# KiCad board pannel.kicad_pcb
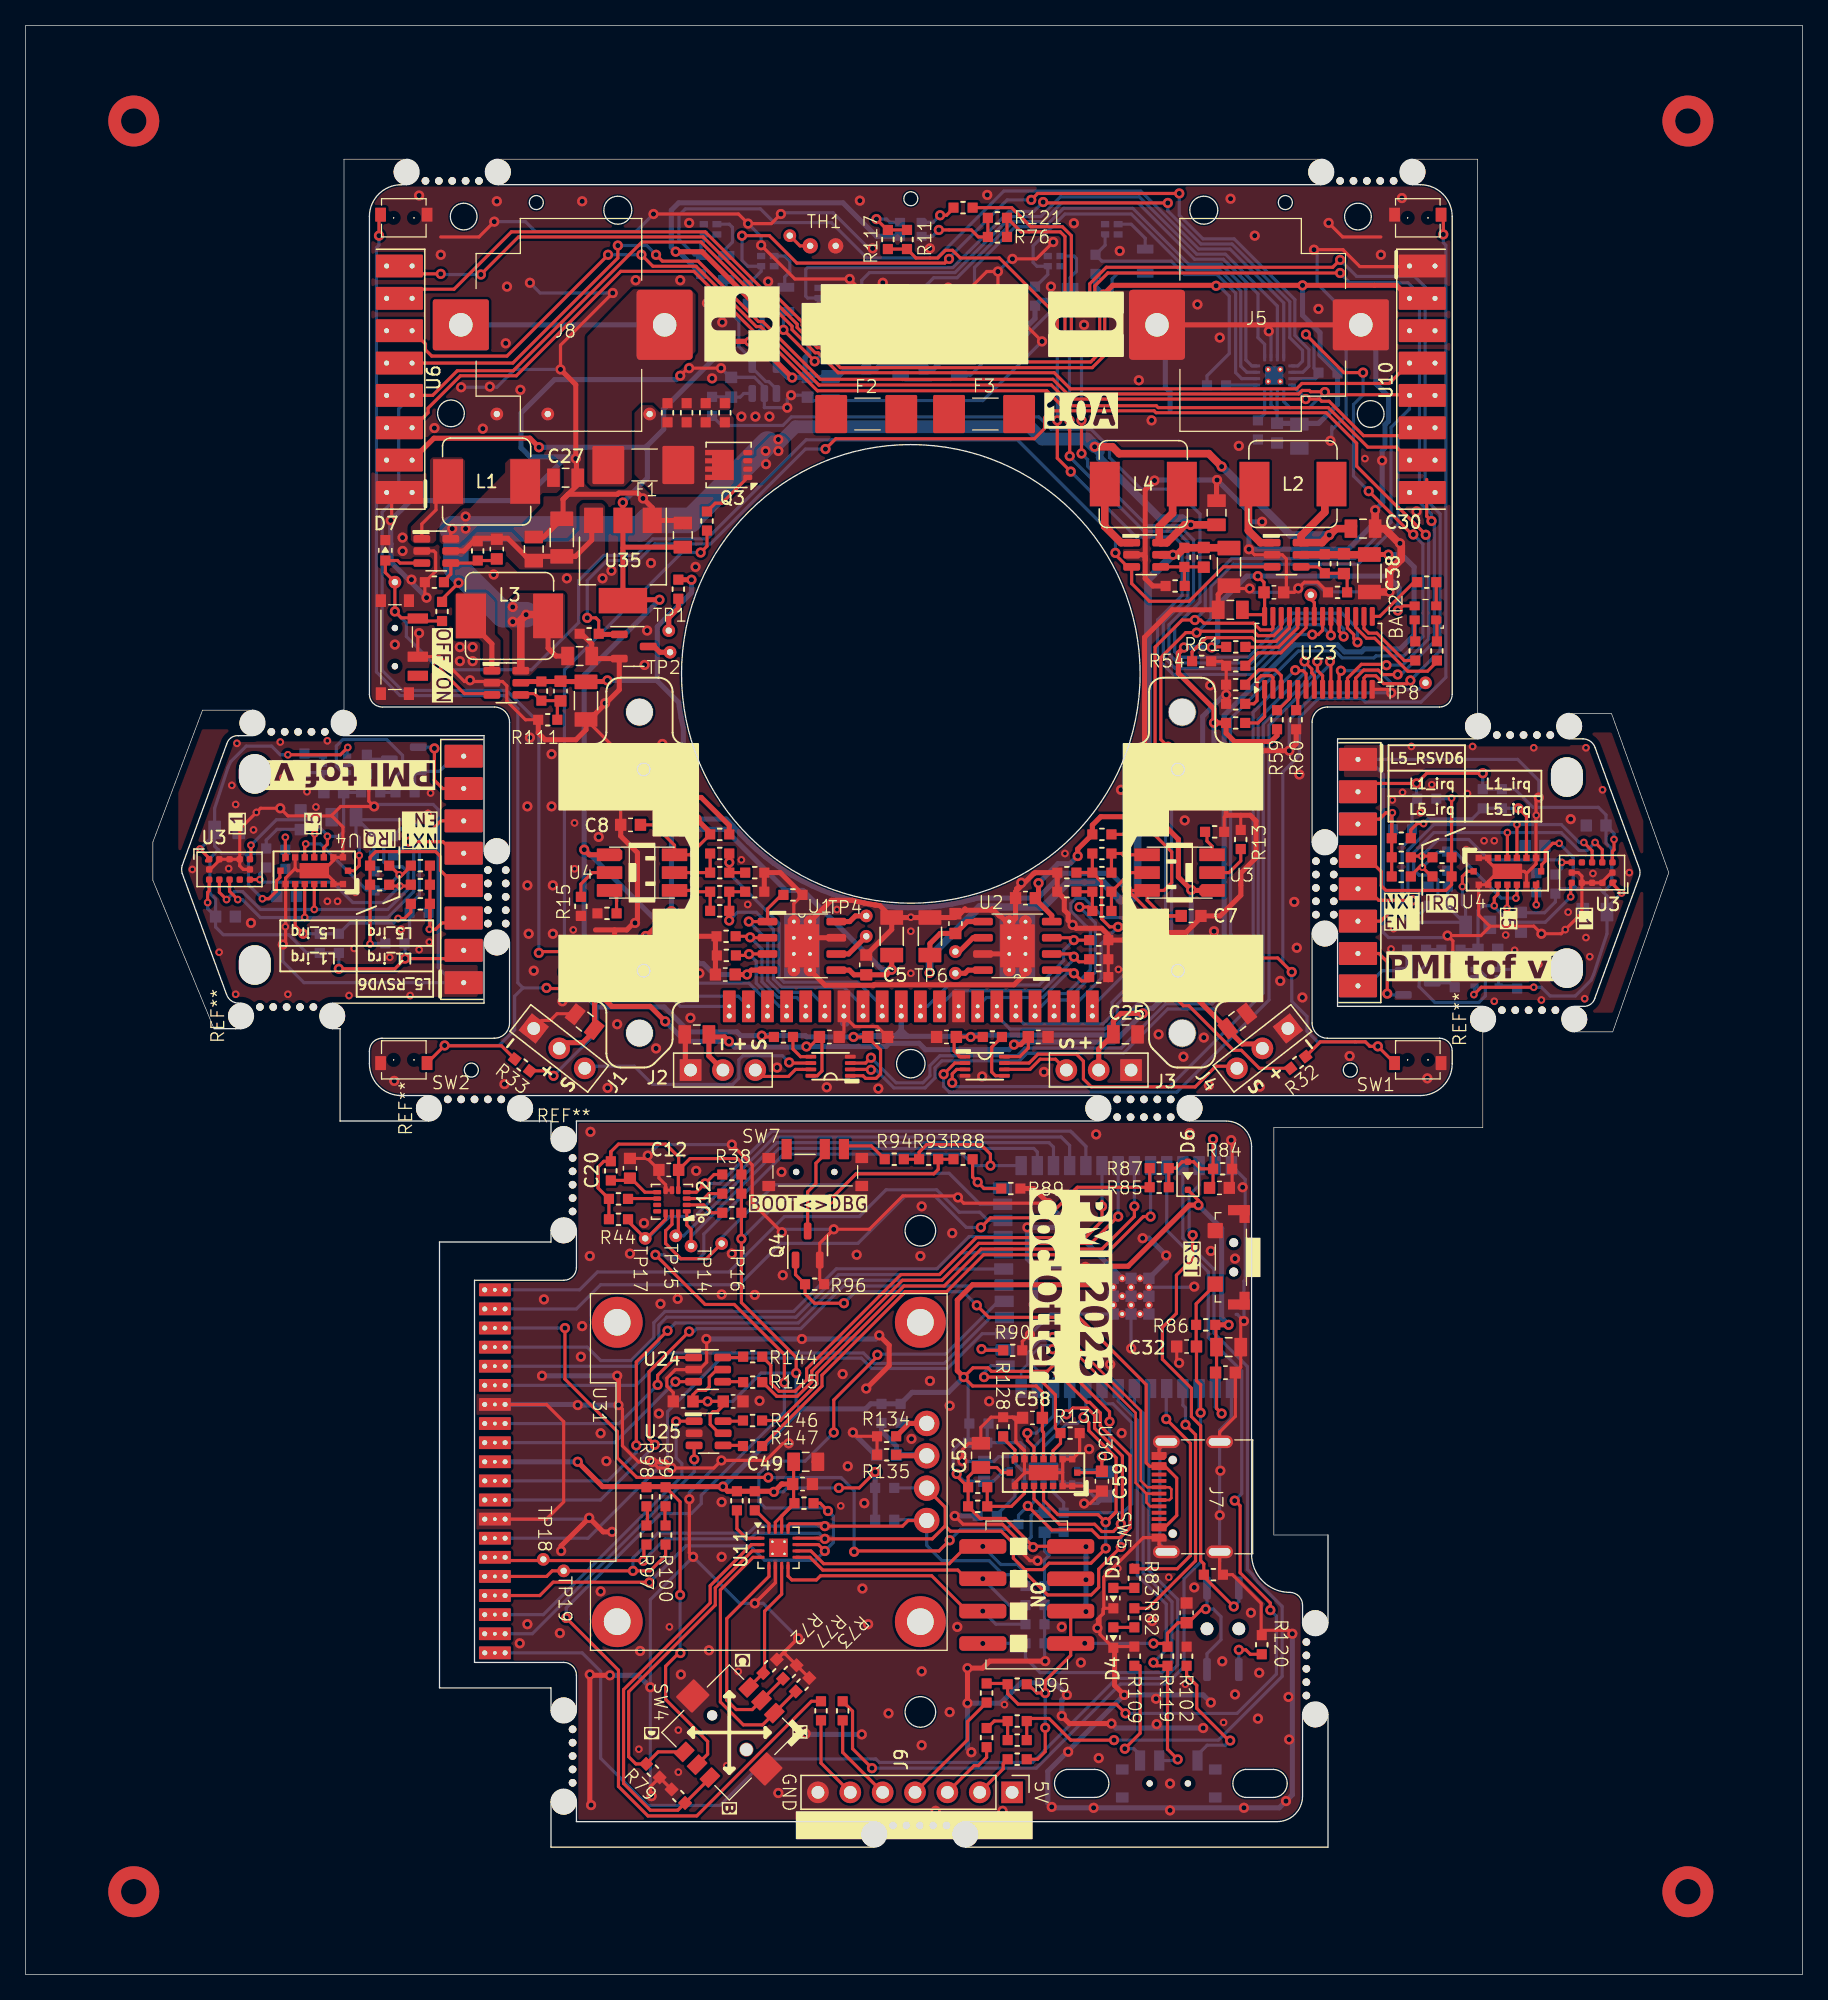
[diagram p0: board, top side]
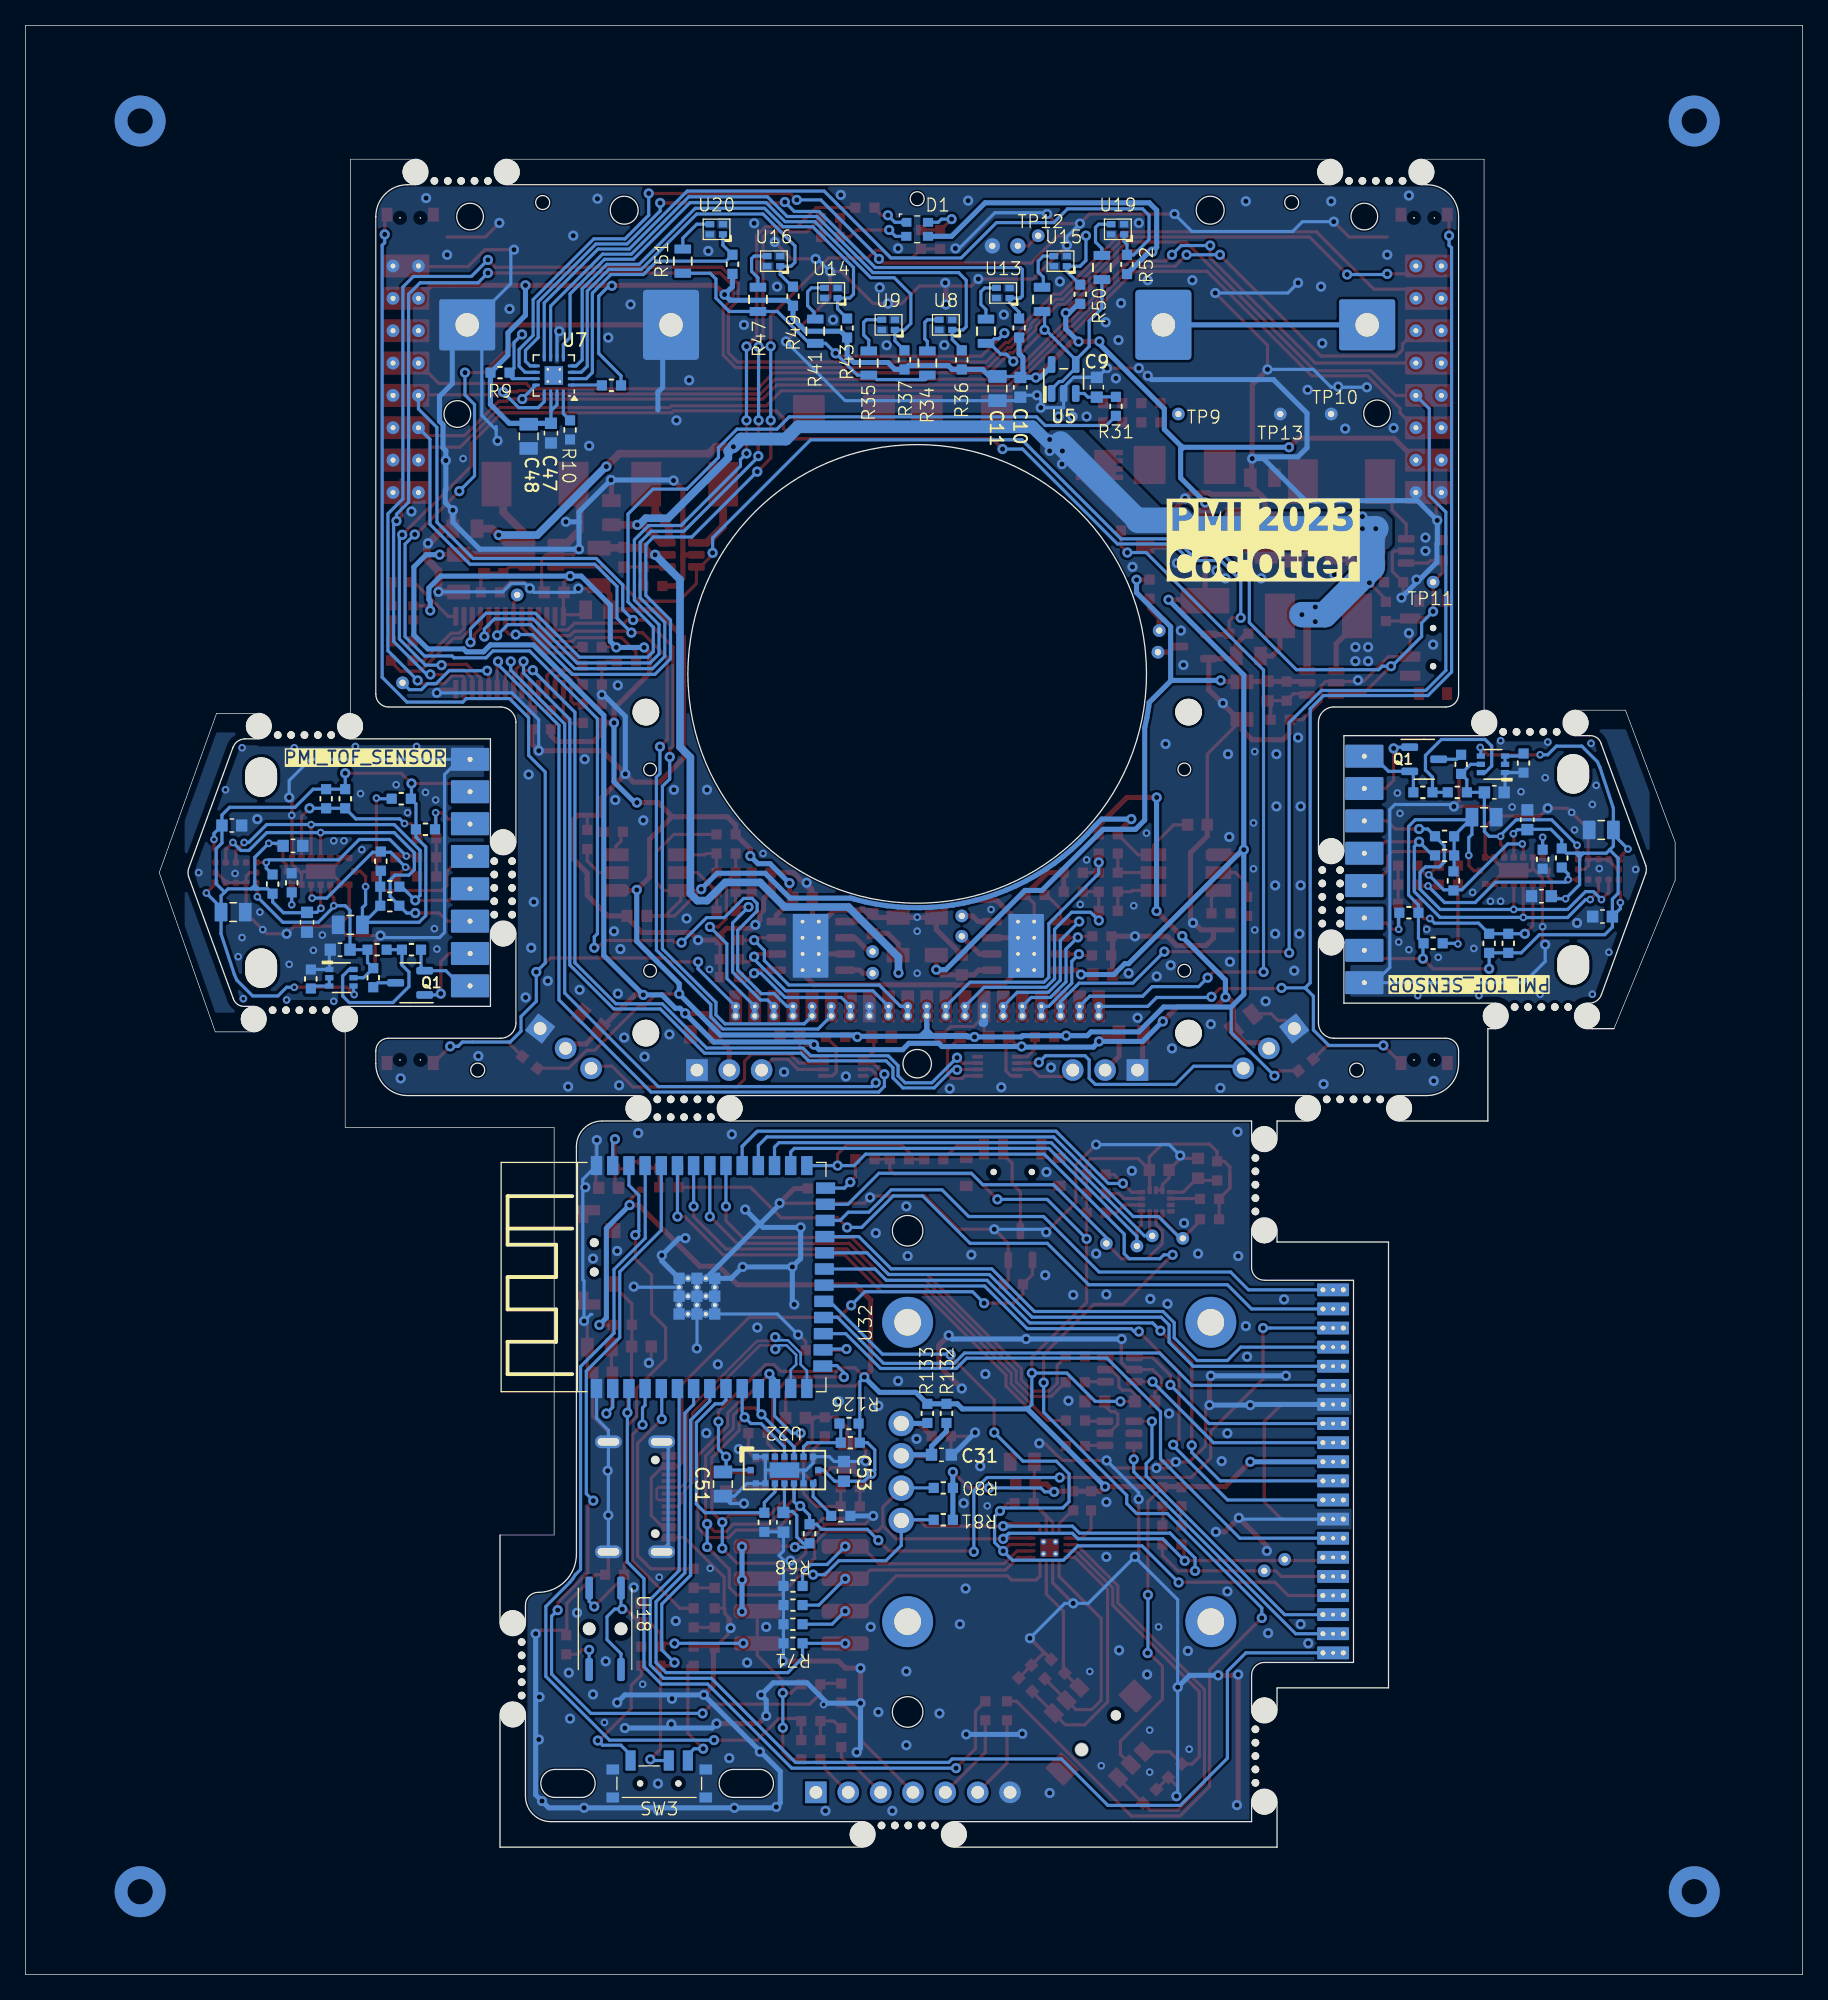
[diagram p1: board, bottom side, seen from below]

Outline 139.5 x 153 mm; copper layers: Top, Bottom. Coordinates in mm from the lower left corner of the outline.
Outline path: circle c33.4,122.55 r1.05 ; circle c34.4,138 r1.05 ; circle c35,71 r0.55 ; circle c40.1,139.1 r0.55 ; circle c46.5,138.5 r1.1 ; circle c48.53,94.6 r0.5 ; circle c48.53,78.8 r0.5 ; circle c69.5,139.4 r0.55 ; circle c69.5,102.1 r18 ; circle c69.5,71.5 r1.12 ; circle c70.25,58.39 r1.2 ; circle c70.25,20.61 r1.2 ; circle c90.47,94.6 r0.5 ; circle c90.47,78.8 r0.5 ; circle c92.5,138.5 r1.1 ; circle c98.9,139.1 r0.55 ; circle c104,71 r0.55 ; circle c104.6,138 r1.05 ; circle c105.6,122.5 r1.05 ; 17.8,99.25 13.9,99.25 10,88.9 10,85.9 14.8,74.25 16.9,74.25 ; 17.8,97.25 16.73,97.25 arc(16.15,97.09) 15.8,96.6 12.3,87.05 arc(12.26,86.75) 12.3,86.45 15.79,76.92 arc(16.16,76.44) 16.73,76.25 16.9,76.25 ; 24.1,74.25 24.7,74.25 24.7,67 31.65,67 ; 25,99.25 25,142.5 29.9,142.5 ; 25,97.25 36,97.25 36,88.2 ; 31.65,69 29.5,69 arc(27.73,69.73) 27,71.5 27,72.5 arc(27.29,73.21) 28,73.5 36.8,73.5 arc(37.65,73.85) 38,74.7 38,81 ; 29.9,140.5 29.5,140.5 arc(27.73,139.77) 27,138 27,100.5 arc(27.29,99.79) 28,99.5 36.8,99.5 arc(37.65,99.15) 38,98.3 38,88.2 ; 24.1,76.25 36,76.25 36,81 ; 37.1,142.5 101.7,142.5 ; 38.85,69 84.2,69 ; 38.85,67 41.25,67 41.25,65.6 ; 41.25,58.4 41.25,57.5 32.5,57.5 32.5,22.5 41.25,22.5 41.25,20.75 ; 41.25,13.55 41.25,10 66.6,10 ; 84.2,67 43.25,67 43.25,65.6 ; 43.25,58.4 43.25,55.5 arc(42.96,54.79) 42.25,54.5 35.25,54.5 35.25,24.5 42.25,24.5 arc(42.96,24.21) 43.25,23.5 43.25,20.75 ; 43.25,13.55 43.25,12 66.6,12 ; 73.8,12 98.25,12 arc(99.66,12.59) 100.25,14 100.25,20.4 ; 73.8,10 102.25,10 102.25,20.4 ; 91.4,69 109.5,69 arc(111.27,69.73) 112,71.5 112,72.5 arc(111.71,73.21) 111,73.5 102.2,73.5 arc(101.35,73.85) 101,74.7 101,81.7 ; 91.4,67 94.25,67 arc(95.66,66.41) 96.25,65 96.25,33 arc(97.13,30.88) 99.25,30 arc(99.96,29.71) 100.25,29 100.25,27.6 ; 101,88.9 101,98.3 arc(101.35,99.15) 102.2,99.5 111,99.5 arc(111.71,99.79) 112,100.5 112,138 arc(111.27,139.77) 109.5,140.5 108.9,140.5 ; 101.7,140.5 37.1,140.5 ; 102.25,27.6 102.25,34.5 98,34.5 98,66.5 114.4,66.5 114.4,74 ; 103,88.9 103,97 114,97 ; 103,81.7 103,76 114.4,76 ; 108.9,142.5 114,142.5 114,99 ; 121.2,99 124.5,99 129,86.5 124.6,74 121.6,74 ; 121.2,97 122.27,97 arc(122.84,96.81) 123.21,96.33 126.7,86.8 arc(126.74,86.5) 126.7,86.2 123.2,76.65 arc(122.85,76.16) 122.27,76 121.6,76 ; 0,100.5 0,153 139.5,153 139.5,0 0,0 0,100.5 ; 81.75,13.9 arc(80.78,15) 81.75,16.1 83.95,16.1 arc(85.05,15) 83.95,13.9 81.75,13.9 ; 95.75,13.9 arc(94.78,15) 95.75,16.1 97.95,16.1 arc(99.05,15) 97.95,13.9 95.75,13.9
Stack: Top 0.035mm / dielectric 1.51mm FR4 er 4.5 / Bottom 0.035mm

## Placement (name value [footprint] x y rotation side)
BAT2  -  [NH-B2020RGBA-HF]  109.9 106.89 180 top
C1  100nF 50V  [C_0603_1608Metric]  54.94 78.5 180 top
C2  100nF 50V  [C_0603_1608Metric]  78.5 84.5 180 top
C3  100nF 50V  [C_0603_1608Metric]  66 79.25 90 top
C4  100nF 50V  [C_0603_1608Metric]  73 82.5 90 top
C4#2  100nF 50V  [C_0603_1608Metric]  123.3 90.2 0 bottom
C4#3  100nF 50V  [C_0603_1608Metric]  15.7 83.05 180 bottom
C5  47µF 10V  [C_1206_3216Metric]  68 81.5 90 top
C5#2  10µF 25V  [C_0805_2012Metric]  123.2 83.4 180 bottom
C5#3  10µF 25V  [C_0805_2012Metric]  15.8 89.85 0 bottom
C6  47µF 10V  [C_1206_3216Metric]  71 81.5 90 top
C6#2  10µF 25V  [C_0805_2012Metric]  25 90.85 180 bottom
C6#3  10µF 25V  [C_0805_2012Metric]  114 82.4 0 bottom
C7  100nF 50V  [C_0603_1608Metric]  91.5 83.1 0 top
C7#2  100nF 50V  [C_0603_1608Metric]  117.4 82.6 270 bottom
C7#3  100nF 50V  [C_0603_1608Metric]  21.6 90.65 90 bottom
C8  100nF 50V  [C_0603_1608Metric]  47.5 90.25 180 top
C8#2  100nF 50V  [C_0603_1608Metric]  20.5 84.65 0 bottom
C8#3  100nF 50V  [C_0603_1608Metric]  118.5 88.6 180 bottom
C9  2nF 50V  [C_0603_1608Metric]  114.8 80.45 0 bottom
C9#2  2nF 50V  [C_0603_1608Metric]  24.2 92.8 180 bottom
C9#3  100nF 50V  [C_0603_1608Metric]  55.4 124.6 90 bottom
C10  100nF 50V  [C_0603_1608Metric]  61.4 124.6 270 bottom
C11  10µF 25V  [C_0805_2012Metric]  63.2 124.5 270 bottom
C12  100nF 50V  [C_0603_1608Metric]  50.5 63.16 180 top
C13  100nF 50V  [C_0603_1608Metric]  98 108.5 0 top
C14  10µF 25V  [C_0805_2012Metric]  94.58 107.13 180 top
C15  100nF 50V  [C_0603_1608Metric]  66.9 73.6 0 top
C16  100nF 50V  [C_0603_1608Metric]  55.55 44.99 0 top
C17  100nF 50V  [C_0603_1608Metric]  72.3 73.6 180 top
C18  100nF 50V  [C_0603_1608Metric]  51.62 44.99 180 top
C19  100nF 50V  [C_0603_1608Metric]  63.1 73.6 0 top
C20  100nF 50V  [C_0603_1608Metric]  47.45 63.29 90 top
C21  100nF 50V  [C_0603_1608Metric]  79.5 73.6 0 top
C23  10µF 25V  [C_0805_2012Metric]  43.9 74.8 142 top
C24  10µF 25V  [C_0805_2012Metric]  52.7 73.8 180 top
C25  10µF 25V  [C_0805_2012Metric]  86.35 73.8 0 top
C26  10µF 25V  [C_0805_2012Metric]  95.12 74.85 38 top
C27  10µF 25V  [C_0805_2012Metric]  42.4 117.5 0 top
C28  100nF 50V  [C_0603_1608Metric]  91.15 28.39 90 top
C29  2nF 50V  [C_0603_1608Metric]  37 111.9 270 top
C30  10µF 25V  [C_0805_2012Metric]  105 113.5 0 top
C31  100nF 50V  [C_0603_1608Metric]  67.6 40.8 180 bottom
C32  100nF 50V  [C_0603_1608Metric]  91.15 49.3 180 top
C33  100nF 50V  [C_0603_1608Metric]  93.72 61.75 0 top
C34  100nF 50V  [C_0603_1608Metric]  94.2 47.25 0 top
C35  10µF 25V  [C_0805_2012Metric]  94.45 49.25 0 top
C36  47µF 10V  [C_1206_3216Metric]  42.1 112.8 90 top
C37  2nF 50V  [C_0603_1608Metric]  103.5 110.75 270 top
C38  47µF 10V  [C_1206_3216Metric]  105.5 110 270 top
C39  10µF 25V  [C_0805_2012Metric]  43.5 103.5 0 top
C40  10µF 25V  [C_0805_2012Metric]  93.5 114.75 90 top
C41  2nF 50V  [C_0603_1608Metric]  42 100.75 270 top
C42  2nF 50V  [C_0603_1608Metric]  92.5 111.25 270 top
C43  47µF 10V  [C_1206_3216Metric]  44 100 270 top
C44  47µF 10V  [C_1206_3216Metric]  94.47 110.5 270 top
C45  10µF 25V  [C_0805_2012Metric]  39.9 111.9 90 top
C46  10µF 25V  [C_0805_2012Metric]  51.6 113 90 top
C47  100nF 50V  [C_0603_1608Metric]  98.25 121 270 bottom
C48  10µF 25V  [C_0805_2012Metric]  100 120.75 270 bottom
C49  10µF 25V  [C_0805_2012Metric]  61.25 40.25 0 top
C50  100nF 50V  [C_0603_1608Metric]  61 38.5 0 top
C51  10µF 25V  [C_0805_2012Metric]  84.75 38.5 270 bottom
C52  10µF 25V  [C_0805_2012Metric]  75 40.75 90 top
C53  100nF 50V  [C_0603_1608Metric]  75.25 39.5 90 bottom
C57  100nF 50V  [C_0603_1608Metric]  80 35.5 270 bottom
C58  100nF 50V  [C_0603_1608Metric]  79.05 43.7 180 top
C59  100nF 50V  [C_0603_1608Metric]  84.5 38.72 270 top
D1  -  [NH-B2020RGBA-HF]  69.5 137 180 bottom
D4  green, 0603  [LED_0603_1608Metric]  85.4 26.45 90 top
D5  green, 0603  [LED_0603_1608Metric]  85.4 29.55 90 top
D6  1N5819WS  [D_SOD-323F]  91.25 62.7 90 top
D7  green, 0603  [LED_0603_1608Metric]  28.25 111.8 270 top
F1  10A F  [JFC2410]  48.5 118.5 0 top
F2  10A F  [JFC2410]  66 122.5 0 top
F3  10A F  [JFC2410]  75.25 122.5 0 top
H1  MountingHole  [MountingHole_2.5mm-slot_1mm]  121 79 270 top
H1#2  MountingHole  [MountingHole_2.5mm-slot_1mm]  18 94.25 90 top
H1#3  MountingHole  [MountingHole_2.1mm]  48.2 99.1 0 top
H2  MountingHole  [MountingHole_2.5mm-slot_1mm]  18 79.25 90 top
H2#2  MountingHole  [MountingHole_2.5mm-slot_1mm]  121 94 270 top
H2#3  MountingHole  [MountingHole_2.1mm]  48.2 73.9 0 top
H3  MountingHole  [MountingHole_2.1mm]  90.8 99.1 0 top
H4  MountingHole  [MountingHole_2.1mm]  90.8 73.9 0 top
J1  -  [tof_sensor_female]  104.6 86.5 270 top
J1#2  -  [tof_sensor_female]  34.4 86.75 90 top
J1#3  con_servo  [ana_servo_5V]  41.9 72.7 52 top
J2  con_servo  [ana_servo_5V]  54.75 71 90 top
J3  con_servo  [ana_servo_5V]  84.25 71 270 top
J4  con_servo  [ana_servo_5V]  97.1 72.7 308 top
J5  -  [254]  96.62 129.5 0 top
J7  USB4105-GF-A-060  [USB4105]  96.34 37.5 90 top
J8  -  [254]  42.38 129.5 180 top
J9  ~  [eps32_uart_programmer]  77.45 14.3 270 top  (not fitted)
J49  ~  [pmi_2023_interconnection_top]  36.85 39.5 270 top  (not fitted)
J50  ~  [pmi_2023_interconnection]  69.5 76 0 top  (not fitted)
L1  2.2µH  [L_Kyocera_07A7_7.3x6.6mm]  36.2 117.2 180 top
L2  2.2µH  [L_Kyocera_07A7_7.3x6.6mm]  99.5 117 180 top
L3  2.2µH  [L_Kyocera_07A7_7.3x6.6mm]  38 106.65 180 top
L4  2.2µH  [L_Kyocera_07A7_7.3x6.6mm]  87.75 117 180 top
Q1  SI2310  [SOT-23-3]  47.75 104.25 0 top
Q1#2  BSS84  [SOT-23-3]  109.3 77.85 0 bottom
Q1#3  BSS84  [SOT-23-3]  29.7 95.4 180 bottom
Q3  DMP2008UFG-7  [Diodes_PowerDI3333-8]  55.2 118.5 180 top
Q4  SI2310  [SOT-23-3]  61.4 57.23 90 top
Q4#2  BSS8402DW-7-F  [SOT-363_SC-70-6]  24.3 95 0 bottom
Q4#3  BSS8402DW-7-F  [SOT-363_SC-70-6]  114.7 78.25 180 bottom
R1  91k 1%  [r0603_reflow]  55 81.5 180 top
R2  91k 1%  [r0603_reflow]  84.25 79.7 0 top
R3  91k 1%  [r0603_reflow]  55.02 80 180 top
R4  0R  [r0603_reflow]  31 85.55 0 top
R4#2  0R  [r0603_reflow]  108 87.7 180 top
R4#3  91k 1%  [r0603_reflow]  84.25 81.2 0 top
R5  0R  [r0603_reflow]  108 86.2 180 top  (not fitted)
R5#2  0R  [r0603_reflow]  31 87.05 0 top  (not fitted)
R5#3  91k 1%  [r0603_reflow]  44.25 105.25 180 top
R6  3k3 1%  [r0603_reflow]  84.25 78.3 0 top
R6#2  0R  [r0603_reflow]  31 84.05 0 top  (not fitted)
R6#3  0R  [r0603_reflow]  108 89.2 180 top  (not fitted)
R7  3k3 1%  [r0603_reflow]  60.25 84.75 0 top
R7#2  10k 1%  [r0603_reflow]  30.9 83.35 0 bottom
R7#3  10k 1%  [r0603_reflow]  108.1 89.9 180 bottom
R8  0R  [r0603_reflow]  51.25 108.75 90 top
R8#2  10k 1%  [r0603_reflow]  120.1 85.6 90 bottom
R8#3  10k 1%  [r0603_reflow]  18.9 87.65 270 bottom
R9  91k 1%  [r0603_reflow]  102.25 125.75 180 bottom
R9#2  10k 1%  [r0603_reflow]  110.9 85.4 180 bottom  (not fitted)
R9#3  10k 1%  [r0603_reflow]  28.1 87.85 0 bottom  (not fitted)
R10  0R  [r0603_reflow]  96.75 121.25 270 bottom
R10#2  10k 1%  [r0603_reflow]  110.9 83.9 180 bottom  (not fitted)
R10#3  10k 1%  [r0603_reflow]  28.1 89.35 0 bottom  (not fitted)
R11  100R  [r0603_reflow]  69.2 136.2 90 top
R11#2  91k 1%  [r0603_reflow]  115.9 92.3 270 bottom
R11#3  91k 1%  [r0603_reflow]  23.1 80.95 90 bottom
R12  91k 1%  [r0603_reflow]  24.6 80.95 90 bottom
R12#2  91k 1%  [r0603_reflow]  114.4 92.3 270 bottom
R12#3  91k 1%  [r0603_reflow]  93.5 124.75 0 bottom
R13  390R 1%  [r0603_reflow]  95.4 89.1 90 top
R13#2  10k 1%  [r0603_reflow]  27.4 85.85 270 bottom
R13#3  10k 1%  [r0603_reflow]  111.6 87.4 90 bottom
R14  470R 1%  [r0603_reflow]  93.35 89.7 0 top
R14#2  10k 1%  [r0603_reflow]  20.4 87.55 270 bottom
R14#3  10k 1%  [r0603_reflow]  118.6 85.7 90 bottom
R15  390R 1%  [r0603_reflow]  43.6 83.85 270 top
R15#2  91k 1%  [r0603_reflow]  27.1 92.8 180 bottom
R15#3  91k 1%  [r0603_reflow]  111.9 80.45 0 bottom
R16  470R 1%  [r0603_reflow]  45.65 83.3 180 top
R16#2  3k3 1%  [r0603_reflow]  26.8 95 270 bottom
R16#3  3k3 1%  [r0603_reflow]  112.2 78.25 90 bottom
R17  0R  [r0603_reflow]  84.5 85 180 top
R17#2  91k 1%  [r0603_reflow]  21.9 95.1 270 bottom
R17#3  91k 1%  [r0603_reflow]  117.1 78.15 90 bottom
R18  1k3 1%  [r0603_reflow]  81.75 85 180 top
R18#2  91k 1%  [r0603_reflow]  29.8 92.8 0 bottom
R18#3  91k 1%  [r0603_reflow]  109.2 80.45 180 bottom
R19  1k 1%  [r0603_reflow]  84.5 83.49 180 top  (not fitted)
R20  0R  [r0603_reflow]  54.5 88 0 top
R20#2  0R  [r0603_reflow]  27.8 85.55 180 top
R20#3  0R  [r0603_reflow]  111.2 87.7 0 top
R21  1k3 1%  [r0603_reflow]  57.25 86.5 0 top
R21#2  0R  [r0603_reflow]  111.2 86.2 0 top  (not fitted)
R21#3  0R  [r0603_reflow]  27.8 87.05 180 top  (not fitted)
R22  0R  [r0603_reflow]  84.5 86.5 180 top
R23  1k3 1%  [r0603_reflow]  81.75 86.5 180 top
R24  1k 1%  [r0603_reflow]  54.5 86.5 0 top  (not fitted)
R25  1k 1%  [r0603_reflow]  84.5 88 180 top  (not fitted)
R25#2  10k 1%  [r0603_reflow]  29 80.95 180 bottom
R25#3  10k 1%  [r0603_reflow]  110 92.3 0 bottom
R26  0R  [r0603_reflow]  54.5 85 0 top
R27  1k3 1%  [r0603_reflow]  57.25 85 0 top
R28  1k 1%  [r0603_reflow]  54.5 83.5 0 top  (not fitted)
R29  0R  [r0603_reflow]  54.5 89.5 0 top  (not fitted)
R30  0R  [r0603_reflow]  84.5 89.5 180 top
R31  91k 1%  [r0603_reflow]  53.9 123.1 90 bottom
R32  91k 1%  [r0603_reflow]  99.9 71.6 38 top
R33  91k 1%  [r0603_reflow]  39 71.4 142 top
R34  150R 1%  [r0805_reflow]  68.7 126.5 90 bottom
R35  150R 1%  [r0805_reflow]  73.3 126.5 90 bottom
R36  27k 1%  [r0603_reflow]  66 126.75 90 bottom
R37  27k 1%  [r0603_reflow]  70.5 126.75 90 bottom
R38  91k 1%  [r0603_reflow]  55.45 62.8 180 top
R39  91k 1%  [r0603_reflow]  46.55 60.89 0 top
R40  150R 1%  [r0805_reflow]  64.1 129 90 bottom
R41  150R 1%  [r0805_reflow]  77.5 129 90 bottom
R42  27k 1%  [r0603_reflow]  61.5 129.25 90 bottom
R43  27k 1%  [r0603_reflow]  75 129.25 90 bottom
R44  91k 1%  [r0603_reflow]  46.55 59.29 0 top
R45  91k 1%  [r0603_reflow]  55.45 61.3 180 top
R46  150R 1%  [r0805_reflow]  59.7 131.5 90 bottom
R47  150R 1%  [r0805_reflow]  82 131.5 90 bottom
R48  27k 1%  [r0603_reflow]  56.7 131.9 90 bottom
R49  27k 1%  [r0603_reflow]  79.25 131.75 90 bottom
R50  150R 1%  [r0805_reflow]  55 134 90 bottom
R51  150R 1%  [r0805_reflow]  87.9 134.5 90 bottom
R52  27k 1%  [r0603_reflow]  53.03 134.24 90 bottom
R53  27k 1%  [r0603_reflow]  84 134.25 90 bottom
R54  0R  [r0603_reflow]  92.33 103.09 0 top
R55  0R  [r0603_reflow]  95.01 102.74 180 top
R56  0R  [r0603_reflow]  95 99.75 180 top
R57  0R  [r0603_reflow]  95 98.25 0 top
R58  0R  [r0603_reflow]  95 101.25 180 top
R59  0R  [r0603_reflow]  98.25 98.5 90 top
R60  0R  [r0603_reflow]  99.75 98.5 270 top
R61  0R  [r0603_reflow]  95.01 104.22 0 top
R62  100R  [r0603_reflow]  109.1 103.9 270 top
R63  100R  [r0603_reflow]  110 109.3 180 top
R64  390R 1%  [r0603_reflow]  110.8 103.9 270 top
R65  0R  [r0603_reflow]  53.5 114.1 270 top
R66  68k 1%  [r0603_reflow]  35.5 111.75 270 top
R67  91k 1%  [r0603_reflow]  102 110.75 270 top
R68  91k 1%  [r0603_reflow]  79.25 30.5 0 bottom
R69  91k 1%  [r0603_reflow]  79.25 29 0 bottom
R70  91k 1%  [r0603_reflow]  79.25 27.5 0 bottom
R71  91k 1%  [r0603_reflow]  79.25 26 0 bottom
R72  91k 1%  [r0603_reflow]  58.45 24.2 45 top
R73  91k 1%  [r0603_reflow]  61 22.75 45 top
R74  100R  [r0603_reflow]  73.6 138.7 180 top
R76  100R  [r0603_reflow]  76.3 136.4 180 top
R77  91k 1%  [r0603_reflow]  60 23.75 45 top
R78  91k 1%  [r0603_reflow]  51.25 14 135 top
R79  91k 1%  [r0603_reflow]  49.25 16 315 top
R80  1k 1%  [r0603_reflow]  67.45 38.2 0 bottom  (not fitted)
R81  1k 1%  [r0603_reflow]  67.45 35.7 0 bottom  (not fitted)
R82  1k 1%  [r0603_reflow]  87.05 28 270 top
R83  1k 1%  [r0603_reflow]  87.05 31.1 270 top
R84  91k 1%  [r0603_reflow]  93.97 63.25 180 top
R85  91k 1%  [r0603_reflow]  89 61.8 180 top  (not fitted)
R86  91k 1%  [r0603_reflow]  92.65 51 180 top
R87  91k 1%  [r0603_reflow]  89 63.3 180 top
R88  91k 1%  [r0603_reflow]  73.6 64 0 top  (not fitted)
R89  91k 1%  [r0603_reflow]  77.35 61.7 0 top
R90  91k 1%  [r0603_reflow]  77.5 49 0 top
R91  1k 1%  [r0603_reflow]  77.85 19.9 180 top
R92  1k 1%  [r0603_reflow]  77.85 18.4 180 top
R93  91k 1%  [r0603_reflow]  70.9 64 180 top
R94  10k 1%  [r0603_reflow]  68.2 64 180 top
R95  91k 1%  [r0603_reflow]  77.85 22.79 180 top
R96  91k 1%  [r0603_reflow]  61.95 54.19 0 top
R97  1k 1%  [r0603_reflow]  48.75 34.5 270 top
R98  1k 1%  [r0603_reflow]  48.75 37.5 270 top
R99  1k 1%  [r0603_reflow]  50.25 37.5 270 top
R100  1k 1%  [r0603_reflow]  50.25 34.5 270 top
R101  91k 1%  [r0603_reflow]  55.45 59.8 180 top
R102  0R  [r0603_reflow]  91.15 24.99 90 top  (not fitted)
R103  0R  [r0603_reflow]  53.4 122.6 270 top  (not fitted)
R104  0R  [r0603_reflow]  50.4 122.6 270 top  (not fitted)
R105  0R  [r0603_reflow]  54.9 122.6 270 top  (not fitted)
R106  0R  [r0603_reflow]  51.9 122.6 270 top  (not fitted)
R107  10k 1%  [r0603_reflow]  32.1 109.3 180 top
R108  10k 1%  [r0603_reflow]  103 108.5 180 top
R109  0R  [r0603_reflow]  87.05 24.99 90 top
R110  91k 1%  [r0603_reflow]  40.5 100.75 270 top
R111  10k 1%  [r0603_reflow]  41 98.5 180 top
R112  91k 1%  [r0603_reflow]  90.97 111.25 270 top
R113  10k 1%  [r0603_reflow]  90.25 109 180 top
R114  1k 1%  [r0603_reflow]  32.7 107 270 top
R115  91k 1%  [r0603_reflow]  61.11 37 0 top
R116  91k 1%  [r0603_reflow]  55.85 37.19 270 top
R117  100R  [r0603_reflow]  67.7 136.2 90 top
R118  0R  [r0603_reflow]  57.25 37.19 270 top
R119  91k 1%  [r0603_reflow]  89.65 24.99 270 top
R120  390R 1%  [r0603_reflow]  97.05 25.89 90 top
R121  100R  [r0603_reflow]  76.3 137.9 180 top
R122  10k 1%  [r0603_reflow]  93.25 31.39 0 top
R123  10k 1%  [r0603_reflow]  77.95 34.6 90 bottom
R124  10k 1%  [r0603_reflow]  75.5 36 180 bottom
R125  91k 1%  [r0603_reflow]  74.75 41.75 0 bottom
R126  91k 1%  [r0603_reflow]  74.85 43.25 0 bottom
R127  91k 1%  [r0603_reflow]  81.5 35.5 270 bottom
R128  10k 1%  [r0603_reflow]  76.75 43 90 top
R129  91k 1%  [r0603_reflow]  74.75 36.75 0 top
R130  91k 1%  [r0603_reflow]  74.75 38.25 0 top
R131  91k 1%  [r0603_reflow]  82 42.5 0 top
R132  0R  [r0603_reflow]  67.2 44.05 90 bottom  (not fitted)
R133  0R  [r0603_reflow]  68.7 44.05 90 bottom  (not fitted)
R134  0R  [r0603_reflow]  67.6 42.25 0 top
R135  0R  [r0603_reflow]  67.6 40.8 180 top
R136  0R  [r0603_reflow]  75.45 22.1 270 top
R137  0R  [r0603_reflow]  75.45 18.6 270 top
R138  0R  [r0603_reflow]  77.85 16.9 180 top
R139  390R 1%  [r0603_reflow]  64.15 20.7 270 top
R140  390R 1%  [r0603_reflow]  62.45 20.7 270 top
R141  0R  [r0603_reflow]  45.95 63.09 270 top
R142  0R  [r0603_reflow]  59.5 73.6 0 top
R143  0R  [r0603_reflow]  75.9 73.6 0 top
R144  100R  [r0603_reflow]  57.09 48.5 0 top
R145  100R  [r0603_reflow]  57.09 46.5 0 top
R146  100R  [r0603_reflow]  57.08 43.49 0 top
R147  100R  [r0603_reflow]  57.08 41.49 0 top
REF**  -  [mice_bite_2mm_one_side]  33.5 141.5 270 top
REF**#2  -  [mice_bite_2mm_one_side]  42.25 17.15 0 top
REF**#3  -  [mice_bite_2mm_both_sides]  102 85.3 180 top
REF**#4  -  [mice_bite_2mm_one_side]  105.3 141.5 270 top
REF**#5  -  [mice_bite_2mm_one_side]  118 75 90 top
REF**#6  -  [mice_bite_2mm_both_sides]  37 84.6 180 top
REF**#7  -  [mice_bite_2mm_one_side]  70.2 11 90 top
REF**#8  -  [mice_bite_2mm_one_side]  117.6 98 270 top
REF**#9  -  [mice_bite_2mm_one_side]  35.25 68 90 top
REF**#10  -  [mice_bite_2mm_one_side]  101.25 24 180 top
REF**#11  -  [mice_bite_2mm_both_sides]  87.8 68 90 top
REF**#12  -  [mice_bite_2mm_one_side]  20.5 75.25 90 top
REF**#13  -  [mice_bite_2mm_one_side]  42.25 62 0 top
REF**#14  -  [mice_bite_2mm_one_side]  21.4 98.25 270 top
SW1  -  [ESE58R11B]  109.3 71.8 180 top
SW2  -  [ESE58L11B]  29.7 71.8 180 top